# Altium PCB PCB1.PcbDoc (part 4 of 6)
Units mm, origin at the board's own origin, x right, y up, seen from the top; angles counter-clockwise.
Board outline 298.25 x 690.26 mm, 2 copper layers (Top Layer, Bottom Layer); 51 components, 44 nets, 196 pads, 2408 vias.
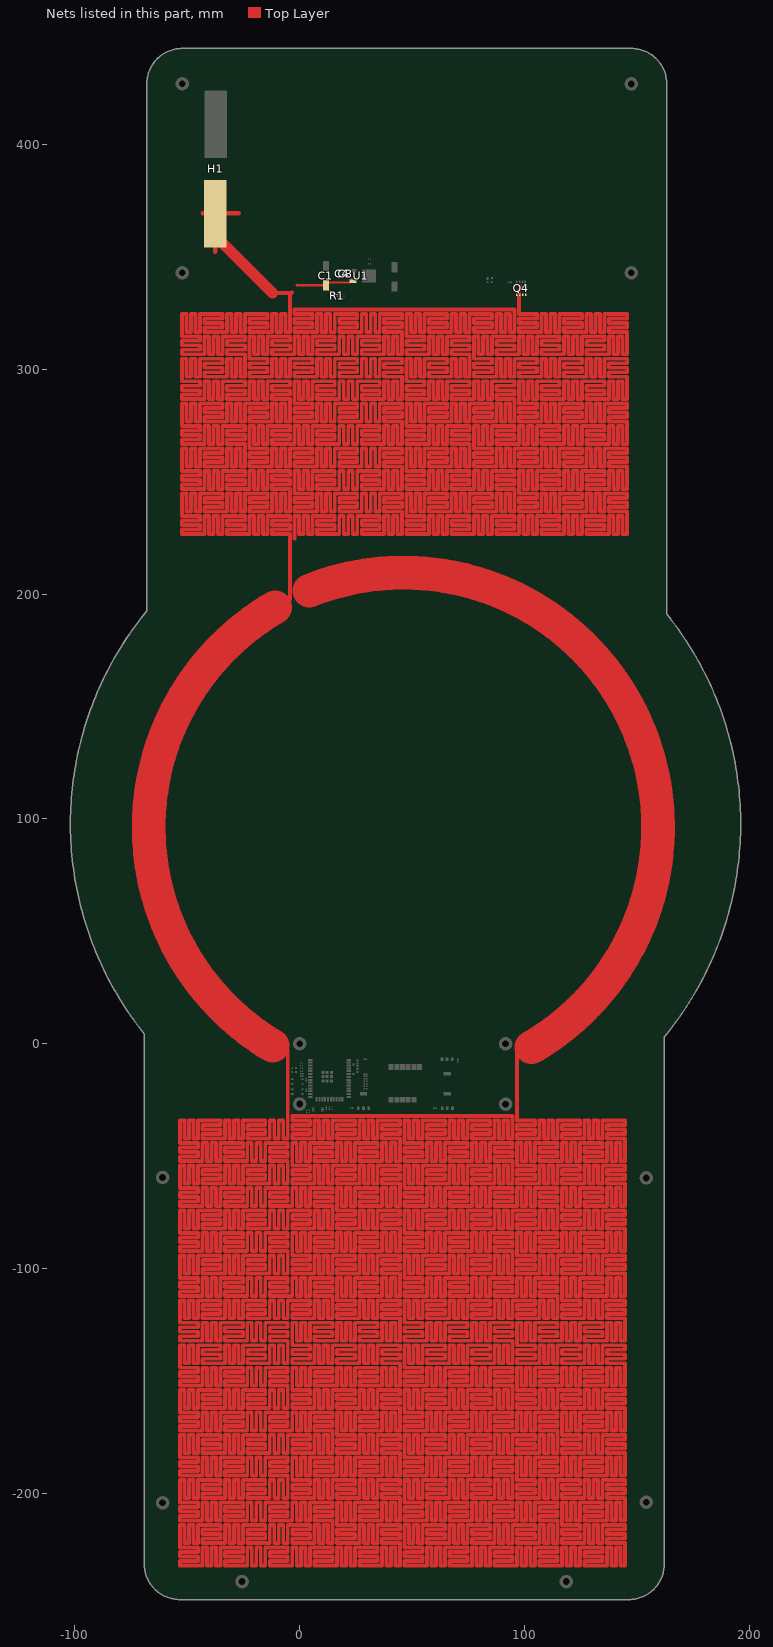
[diagram p4: the nets of this part, all layers, seen from the top]

## Via types
v1: diameter 0.6, hole 0.3, Top Layer to Bottom Layer, tented both sides, 2403 vias
v2: diameter 1.27, hole 0.711, Top Layer to Bottom Layer, tented both sides, 5 vias

## Nets (pads, with @x,y where several pads share a name; then routed paths per layer and width w, separated by ;. In a path a pad name is that pad's centre, name@x,y a point inside that pad or via, vN(x,y) a via of type N, cw(c..) or ccw(c..) an arc to the next point about the centre after c; other vN are vias at no path point) (continued)
VCC: (continued)
  Top Layer w1.75: -5.296,-2.945 -5.296,-32.18 -5.296,-42.18 -7.296,-42.18 -7.296,-34.18 -9.296,-34.18 -9.296,-42.18 -11.296,-42.18 -11.296,-34.18 -13.296,-34.18 -13.296,-42.18 -23.296,-42.18 -23.296,-40.18 -15.296,-40.18 -15.296,-38.18 -23.296,-38.18 -23.296,-36.18 -15.296,-36.18 -15.296,-34.18 -25.296,-34.18 -25.296,-42.18 -27.296,-42.18 -27.296,-34.18 -29.296,-34.18 -29.296,-42.18 -31.296,-42.18 -31.296,-34.18 -33.296,-34.18 -33.296,-42.18 -43.296,-42.18 -43.296,-40.18 -35.296,-40.18 -35.296,-38.18 -43.296,-38.18 -43.296,-36.18 -35.296,-36.18 -35.296,-34.18 -45.296,-34.18 -45.296,-42.18 -47.296,-42.18 -47.296,-34.18 -49.296,-34.18 -49.296,-42.18 -51.296,-42.18 -51.296,-34.18 -53.296,-34.18 -53.296,-44.18 -45.296,-44.18 -45.296,-46.18 -53.296,-46.18 -53.296,-48.18 -45.296,-48.18 -45.296,-50.18 -53.296,-50.18 -53.296,-52.18 -43.296,-52.18 -43.296,-44.18 -41.296,-44.18 -41.296,-52.18 -39.296,-52.18 -39.296,-44.18 -37.296,-44.18 -37.296,-52.18 -35.296,-52.18 -35.296,-44.18 -25.296,-44.18 -25.296,-46.18 -33.296,-46.18 -33.296,-48.18 -25.296,-48.18 -25.296,-50.18 -33.296,-50.18 -33.296,-52.18 -23.296,-52.18 -23.296,-44.18 -21.296,-44.18 -21.296,-52.18 -19.296,-52.18 -19.296,-44.18 -17.296,-44.18 -17.296,-52.18 -15.296,-52.18 -15.296,-44.18 -5.296,-44.18 -5.296,-46.18 -13.296,-46.18 -13.296,-48.18 -5.296,-48.18 -5.296,-50.18 -13.296,-50.18 -13.296,-52.18 -5.296,-52.18 -5.296,-62.18 -7.296,-62.18 -7.296,-54.18 -9.296,-54.18 -9.296,-62.18 -11.296,-62.18 -11.296,-54.18 -13.296,-54.18 -13.296,-62.18 -23.296,-62.18 -23.296,-60.18 -15.296,-60.18 -15.296,-58.18 -23.296,-58.18 -23.296,-56.18 -15.296,-56.18 -15.296,-54.18 -25.296,-54.18 -25.296,-62.18 -27.296,-62.18 -27.296,-54.18 -29.296,-54.18 -29.296,-62.18 -31.296,-62.18 -31.296,-54.18 -33.296,-54.18 -33.296,-62.18 -43.296,-62.18 -43.296,-60.18 -35.296,-60.18 -35.296,-58.18 -43.296,-58.18 -43.296,-56.18 -35.296,-56.18 -35.296,-54.18 -45.296,-54.18 -45.296,-62.18 -47.296,-62.18 -47.296,-54.18 -49.296,-54.18 -49.296,-62.18 -51.296,-62.18 -51.296,-54.18 -53.296,-54.18 -53.296,-64.18 -45.296,-64.18 -45.296,-66.18 -53.296,-66.18 -53.296,-68.18 -45.296,-68.18 -45.296,-70.18 -53.296,-70.18 -53.296,-72.18 -43.296,-72.18 -43.296,-64.18 -41.296,-64.18 -41.296,-72.18 -39.296,-72.18 -39.296,-64.18 -37.296,-64.18 -37.296,-72.18 -35.296,-72.18 -35.296,-64.18 -25.296,-64.18 -25.296,-66.18 -33.296,-66.18 -33.296,-68.18 -25.296,-68.18 -25.296,-70.18 -33.296,-70.18 -33.296,-72.18 -23.296,-72.18 -23.296,-64.18 -21.296,-64.18 -21.296,-72.18 -19.296,-72.18 -19.296,-64.18 -17.296,-64.18 -17.296,-72.18 -15.296,-72.18 -15.296,-64.18 -5.296,-64.18 -5.296,-66.18 -13.296,-66.18 -13.296,-68.18 -5.296,-68.18 -5.296,-70.18 -13.296,-70.18 -13.296,-72.18 -3.296,-72.18 -3.296,-64.18 -1.296,-64.18 -1.296,-72.18 0.704,-72.18 0.704,-64.18 2.704,-64.18 2.704,-72.18 4.704,-72.18 4.704,-64.18 14.704,-64.18 14.704,-66.18 6.704,-66.18 6.704,-68.18 14.704,-68.18 14.704,-70.18 6.704,-70.18 6.704,-72.18 14.704,-72.18 14.704,-82.18 12.704,-82.18 12.704,-74.18 10.704,-74.18 10.704,-82.18 8.704,-82.18 8.704,-74.18 6.704,-74.18 6.704,-82.18 -3.296,-82.18 -3.296,-80.18 4.704,-80.18 4.704,-78.18 -3.296,-78.18 -3.296,-76.18 4.704,-76.18 4.704,-74.18 -5.296,-74.18 -5.296,-82.18 -7.296,-82.18 -7.296,-74.18 -9.296,-74.18 -9.296,-82.18 -11.296,-82.18 -11.296,-74.18 -13.296,-74.18 -13.296,-82.18 -23.296,-82.18 -23.296,-80.18 -15.296,-80.18 -15.296,-78.18 -23.296,-78.18 -23.296,-76.18 -15.296,-76.18 -15.296,-74.18 -25.296,-74.18 -25.296,-82.18 -27.296,-82.18 -27.296,-74.18 -29.296,-74.18 -29.296,-82.18 -31.296,-82.18 -31.296,-74.18 -33.296,-74.18 -33.296,-82.18 -43.296,-82.18 -43.296,-80.18 -35.296,-80.18 -35.296,-78.18 -43.296,-78.18 -43.296,-76.18 -35.296,-76.18 -35.296,-74.18 -45.296,-74.18 -45.296,-82.18 -47.296,-82.18 -47.296,-74.18 -49.296,-74.18 -49.296,-82.18 -51.296,-82.18 -51.296,-74.18 -53.296,-74.18 -53.296,-84.18 -45.296,-84.18 -45.296,-86.18 -53.296,-86.18 -53.296,-88.18 -45.296,-88.18 -45.296,-90.18 -53.296,-90.18 -53.296,-92.18 -43.296,-92.18 -43.296,-84.18 -41.296,-84.18 -41.296,-92.18 -39.296,-92.18 -39.296,-84.18 -37.296,-84.18 -37.296,-92.18 -35.296,-92.18 -35.296,-84.18 -25.296,-84.18 -25.296,-86.18 -33.296,-86.18 -33.296,-88.18 -25.296,-88.18 -25.296,-90.18 -33.296,-90.18 -33.296,-92.18 -23.296,-92.18 -23.296,-84.18 -21.296,-84.18 -21.296,-92.18 -19.296,-92.18 -19.296,-84.18 -17.296,-84.18 -17.296,-92.18 -15.296,-92.18 -15.296,-84.18 -5.296,-84.18 -5.296,-86.18 -13.296,-86.18 -13.296,-88.18 -5.296,-88.18 -5.296,-90.18 -13.296,-90.18 -13.296,-92.18 -5.296,-92.18 -5.296,-102.18 -7.296,-102.18 -7.296,-94.18 -9.296,-94.18 -9.296,-102.18 -11.296,-102.18 -11.296,-94.18 -13.296,-94.18 -13.296,-102.18 -23.296,-102.18 -23.296,-100.18 -15.296,-100.18 -15.296,-98.18 -23.296,-98.18 -23.296,-96.18 -15.296,-96.18 -15.296,-94.18 -25.296,-94.18 -25.296,-102.18 -27.296,-102.18 -27.296,-94.18 -29.296,-94.18 -29.296,-102.18 -31.296,-102.18 -31.296,-94.18 -33.296,-94.18 -33.296,-102.18 -43.296,-102.18 -43.296,-100.18 -35.296,-100.18 -35.296,-98.18 -43.296,-98.18 -43.296,-96.18 -35.296,-96.18 -35.296,-94.18 -45.296,-94.18 -45.296,-102.18 -47.296,-102.18 -47.296,-94.18 -49.296,-94.18 -49.296,-102.18 -51.296,-102.18 -51.296,-94.18 -53.296,-94.18 -53.296,-104.18 -45.296,-104.18 -45.296,-106.18 -53.296,-106.18 -53.296,-108.18 -45.296,-108.18 -45.296,-110.18 -53.296,-110.18 -53.296,-112.18 -43.296,-112.18 -43.296,-104.18 -41.296,-104.18 -41.296,-112.18 -39.296,-112.18 -39.296,-104.18 -37.296,-104.18 -37.296,-112.18 -35.296,-112.18 -35.296,-104.18 -25.296,-104.18 -25.296,-106.18 -33.296,-106.18 -33.296,-108.18 -25.296,-108.18 -25.296,-110.18 -33.296,-110.18 -33.296,-112.18 -23.296,-112.18 -23.296,-104.18 -21.296,-104.18 -21.296,-112.18 -19.296,-112.18 -19.296,-104.18 -17.296,-104.18 -17.296,-112.18 -15.296,-112.18 -15.296,-104.18 -5.296,-104.18 -5.296,-106.18 -13.296,-106.18 -13.296,-108.18 -5.296,-108.18 -5.296,-110.18 -13.296,-110.18 -13.296,-112.18 -3.296,-112.18 -3.296,-104.18 -1.296,-104.18 -1.296,-112.18 0.704,-112.18 0.704,-104.18 2.704,-104.18 2.704,-112.18 4.704,-112.18 4.704,-104.18 14.704,-104.18 14.704,-106.18 6.704,-106.18 6.704,-108.18 14.704,-108.18 14.704,-110.18 6.704,-110.18 6.704,-112.18 14.704,-112.18 14.704,-122.18 12.704,-122.18 12.704,-114.18 10.704,-114.18 10.704,-122.18 8.704,-122.18 8.704,-114.18 6.704,-114.18 6.704,-122.18 -3.296,-122.18 -3.296,-120.18 4.704,-120.18 4.704,-118.18 -3.296,-118.18 -3.296,-116.18 4.704,-116.18 4.704,-114.18 -5.296,-114.18 -5.296,-122.18 -7.296,-122.18 -7.296,-114.18 -9.296,-114.18 -9.296,-122.18 -11.296,-122.18 -11.296,-114.18 -13.296,-114.18 -13.296,-122.18 -23.296,-122.18 -23.296,-120.18 -15.296,-120.18 -15.296,-118.18 -23.296,-118.18 -23.296,-116.18 -15.296,-116.18 -15.296,-114.18 -25.296,-114.18 -25.296,-122.18 -27.296,-122.18 -27.296,-114.18 -29.296,-114.18 -29.296,-122.18 -31.296,-122.18 -31.296,-114.18 -33.296,-114.18 -33.296,-122.18 -43.296,-122.18 -43.296,-120.18 -35.296,-120.18 -35.296,-118.18 -43.296,-118.18 -43.296,-116.18 -35.296,-116.18 -35.296,-114.18 -45.296,-114.18 -45.296,-122.18 -47.296,-122.18 -47.296,-114.18 -49.296,-114.18 -49.296,-122.18 -51.296,-122.18 -51.296,-114.18 -53.296,-114.18 -53.296,-124.18 -45.296,-124.18 -45.296,-126.18 -53.296,-126.18 -53.296,-128.18 -45.296,-128.18 -45.296,-130.18 -53.296,-130.18 -53.296,-132.18 -43.296,-132.18 -43.296,-124.18 -41.296,-124.18 -41.296,-132.18 -39.296,-132.18 -39.296,-124.18 -37.296,-124.18 -37.296,-132.18 -35.296,-132.18 -35.296,-124.18 -25.296,-124.18 -25.296,-126.18 -33.296,-126.18 -33.296,-128.18 -25.296,-128.18 -25.296,-130.18 -33.296,-130.18 -33.296,-132.18 -23.296,-132.18 -23.296,-124.18 -21.296,-124.18 -21.296,-132.18 -19.296,-132.18 -19.296,-124.18 -17.296,-124.18 -17.296,-132.18 -15.296,-132.18 -15.296,-124.18 -5.296,-124.18 -5.296,-126.18 -13.296,-126.18 -13.296,-128.18 -5.296,-128.18 -5.296,-130.18 -13.296,-130.18 -13.296,-132.18 -5.296,-132.18 -5.296,-142.18 -7.296,-142.18 -7.296,-134.18 -9.296,-134.18 -9.296,-142.18 -11.296,-142.18 -11.296,-134.18 -13.296,-134.18 -13.296,-142.18 -23.296,-142.18 -23.296,-140.18 -15.296,-140.18 -15.296,-138.18 -23.296,-138.18 -23.296,-136.18 -15.296,-136.18 -15.296,-134.18 -25.296,-134.18 -25.296,-142.18 -27.296,-142.18 -27.296,-134.18 -29.296,-134.18 -29.296,-142.18 -31.296,-142.18 -31.296,-134.18 -33.296,-134.18 -33.296,-142.18 -43.296,-142.18 -43.296,-140.18 -35.296,-140.18 -35.296,-138.18 -43.296,-138.18 -43.296,-136.18 -35.296,-136.18 -35.296,-134.18 -45.296,-134.18 -45.296,-142.18 -47.296,-142.18 -47.296,-134.18 -49.296,-134.18 -49.296,-142.18 -51.296,-142.18 -51.296,-134.18 -53.296,-134.18 -53.296,-144.18 -45.296,-144.18 -45.296,-146.18 -53.296,-146.18 -53.296,-148.18 -45.296,-148.18 -45.296,-150.18 -53.296,-150.18 -53.296,-152.18 -43.296,-152.18 -43.296,-144.18 -41.296,-144.18 -41.296,-152.18 -39.296,-152.18 -39.296,-144.18 -37.296,-144.18 -37.296,-152.18 -35.296,-152.18 -35.296,-144.18 -25.296,-144.18 -25.296,-146.18 -33.296,-146.18 -33.296,-148.18 -25.296,-148.18 -25.296,-150.18 -33.296,-150.18 -33.296,-152.18 -23.296,-152.18 -23.296,-144.18 -21.296,-144.18 -21.296,-152.18 -19.296,-152.18 -19.296,-144.18 -17.296,-144.18 -17.296,-152.18 -15.296,-152.18 -15.296,-144.18 -5.296,-144.18 -5.296,-146.18 -13.296,-146.18 -13.296,-148.18 -5.296,-148.18 -5.296,-150.18 -13.296,-150.18 -13.296,-152.18 -5.296,-152.18 -5.296,-162.18 -7.296,-162.18 -7.296,-154.18 -9.296,-154.18 -9.296,-162.18 -11.296,-162.18 -11.296,-154.18 -13.296,-154.18 -13.296,-162.18 -23.296,-162.18 -23.296,-160.18 -15.296,-160.18 -15.296,-158.18 -23.296,-158.18 -23.296,-156.18 -15.296,-156.18 -15.296,-154.18 -25.296,-154.18 -25.296,-162.18 -27.296,-162.18 -27.296,-154.18 -29.296,-154.18 -29.296,-162.18 -31.296,-162.18 -31.296,-154.18 -33.296,-154.18 -33.296,-162.18 -43.296,-162.18 -43.296,-160.18 -35.296,-160.18 -35.296,-158.18 -43.296,-158.18 -43.296,-156.18 -35.296,-156.18 -35.296,-154.18 -45.296,-154.18 -45.296,-162.18 -47.296,-162.18 -47.296,-154.18 -49.296,-154.18 -49.296,-162.18 -51.296,-162.18 -51.296,-154.18 -53.296,-154.18 -53.296,-164.18 -45.296,-164.18 -45.296,-166.18 -53.296,-166.18 -53.296,-168.18 -45.296,-168.18 -45.296,-170.18 -53.296,-170.18 -53.296,-172.18 -43.296,-172.18 -43.296,-164.18 -41.296,-164.18 -41.296,-172.18 -39.296,-172.18 -39.296,-164.18 -37.296,-164.18 -37.296,-172.18 -35.296,-172.18 -35.296,-164.18 -25.296,-164.18 -25.296,-166.18 -33.296,-166.18 -33.296,-168.18 -25.296,-168.18 -25.296,-170.18 -33.296,-170.18 -33.296,-172.18 -23.296,-172.18 -23.296,-164.18 -21.296,-164.18 -21.296,-172.18 -19.296,-172.18 -19.296,-164.18 -17.296,-164.18 -17.296,-172.18 -15.296,-172.18 -15.296,-164.18 -5.296,-164.18 -5.296,-166.18 -13.296,-166.18 -13.296,-168.18 -5.296,-168.18 -5.296,-170.18 -13.296,-170.18 -13.296,-172.18 -3.296,-172.18 -3.296,-164.18 -1.296,-164.18 -1.296,-172.18 0.704,-172.18 0.704,-164.18 2.704,-164.18 2.704,-172.18 4.704,-172.18 4.704,-164.18 14.704,-164.18 14.704,-166.18 6.704,-166.18 6.704,-168.18 14.704,-168.18 14.704,-170.18 6.704,-170.18 6.704,-172.18 14.704,-172.18 14.704,-182.18 12.704,-182.18 12.704,-174.18 10.704,-174.18 10.704,-182.18 8.704,-182.18 8.704,-174.18 6.704,-174.18 6.704,-182.18 -3.296,-182.18 -3.296,-180.18 4.704,-180.18 4.704,-178.18 -3.296,-178.18 -3.296,-176.18 4.704,-176.18 4.704,-174.18 -5.296,-174.18 -5.296,-182.18 -7.296,-182.18 -7.296,-174.18 -9.296,-174.18 -9.296,-182.18 -11.296,-182.18 -11.296,-174.18 -13.296,-174.18 -13.296,-182.18 -23.296,-182.18 -23.296,-180.18 -15.296,-180.18 -15.296,-178.18 -23.296,-178.18 -23.296,-176.18 -15.296,-176.18 -15.296,-174.18 -25.296,-174.18 -25.296,-182.18 -27.296,-182.18 -27.296,-174.18 -29.296,-174.18 -29.296,-182.18 -31.296,-182.18 -31.296,-174.18 -33.296,-174.18 -33.296,-182.18 -43.296,-182.18 -43.296,-180.18 -35.296,-180.18 -35.296,-178.18 -43.296,-178.18 -43.296,-176.18 -35.296,-176.18 -35.296,-174.18 -45.296,-174.18 -45.296,-182.18 -47.296,-182.18 -47.296,-174.18 -49.296,-174.18 -49.296,-182.18 -51.296,-182.18 -51.296,-174.18 -53.296,-174.18 -53.296,-184.18 -45.296,-184.18 -45.296,-186.18 -53.296,-186.18 -53.296,-188.18 -45.296,-188.18 -45.296,-190.18 -53.296,-190.18 -53.296,-192.18 -43.296,-192.18 -43.296,-184.18 -41.296,-184.18 -41.296,-192.18 -39.296,-192.18 -39.296,-184.18 -37.296,-184.18 -37.296,-192.18 -35.296,-192.18 -35.296,-184.18 -25.296,-184.18 -25.296,-186.18 -33.296,-186.18 -33.296,-188.18 -25.296,-188.18 -25.296,-190.18 -33.296,-190.18 -33.296,-192.18 -23.296,-192.18 -23.296,-184.18 -21.296,-184.18 -21.296,-192.18 -19.296,-192.18 -19.296,-184.18 -17.296,-184.18 -17.296,-192.18 -15.296,-192.18 -15.296,-184.18 -5.296,-184.18 -5.296,-186.18 -13.296,-186.18 -13.296,-188.18 -5.296,-188.18 -5.296,-190.18 -13.296,-190.18 -13.296,-192.18 -5.296,-192.18 -5.296,-202.18 -7.296,-202.18 -7.296,-194.18 -9.296,-194.18 -9.296,-202.18 -11.296,-202.18 -11.296,-194.18 -13.296,-194.18 -13.296,-202.18 -23.296,-202.18 -23.296,-200.18 -15.296,-200.18 -15.296,-198.18 -23.296,-198.18 -23.296,-196.18 -15.296,-196.18 -15.296,-194.18 -25.296,-194.18 -25.296,-202.18 -27.296,-202.18 -27.296,-194.18 -29.296,-194.18 -29.296,-202.18 -31.296,-202.18 -31.296,-194.18 -33.296,-194.18 -33.296,-202.18 -43.296,-202.18 -43.296,-200.18 -35.296,-200.18 -35.296,-198.18 -43.296,-198.18 -43.296,-196.18 -35.296,-196.18 -35.296,-194.18 -45.296,-194.18 -45.296,-202.18 -47.296,-202.18 -47.296,-194.18 -49.296,-194.18 -49.296,-202.18 -51.296,-202.18 -51.296,-194.18 -53.296,-194.18 -53.296,-204.18 -45.296,-204.18 -45.296,-206.18 -53.296,-206.18 -53.296,-208.18 -45.296,-208.18 -45.296,-210.18 -53.296,-210.18 -53.296,-212.18 -43.296,-212.18 -43.296,-204.18 -41.296,-204.18 -41.296,-212.18 -39.296,-212.18 -39.296,-204.18 -37.296,-204.18 -37.296,-212.18 -35.296,-212.18 -35.296,-204.18 -25.296,-204.18 -25.296,-206.18 -33.296,-206.18 -33.296,-208.18 -25.296,-208.18 -25.296,-210.18 -33.296,-210.18 -33.296,-212.18 -23.296,-212.18 -23.296,-204.18 -21.296,-204.18 -21.296,-212.18 -19.296,-212.18 -19.296,-204.18 -17.296,-204.18 -17.296,-212.18 -15.296,-212.18 -15.296,-204.18 -5.296,-204.18 -5.296,-206.18 -13.296,-206.18 -13.296,-208.18 -5.296,-208.18 -5.296,-210.18 -13.296,-210.18 -13.296,-212.18 -3.296,-212.18 -3.296,-204.18 -1.296,-204.18 -1.296,-212.18 0.704,-212.18 0.704,-204.18 2.704,-204.18 2.704,-212.18 4.704,-212.18 4.704,-204.18 14.704,-204.18 14.704,-206.18 6.704,-206.18 6.704,-208.18 14.704,-208.18 14.704,-210.18 6.704,-210.18 6.704,-212.18 14.704,-212.18 14.704,-222.18 12.704,-222.18 12.704,-214.18 10.704,-214.18 10.704,-222.18 8.704,-222.18 8.704,-214.18 6.704,-214.18 6.704,-222.18 -3.296,-222.18 -3.296,-220.18 4.704,-220.18 4.704,-218.18 -3.296,-218.18 -3.296,-216.18 4.704,-216.18 4.704,-214.18 -5.296,-214.18 -5.296,-222.18 -7.296,-222.18 -7.296,-214.18 -9.296,-214.18 -9.296,-222.18 -11.296,-222.18 -11.296,-214.18 -13.296,-214.18 -13.296,-222.18 -23.296,-222.18 -23.296,-220.18 -15.296,-220.18 -15.296,-218.18 -23.296,-218.18 -23.296,-216.18 -15.296,-216.18 -15.296,-214.18 -25.296,-214.18 -25.296,-222.18 -27.296,-222.18 -27.296,-214.18 -29.296,-214.18 -29.296,-222.18 -31.296,-222.18 -31.296,-214.18 -33.296,-214.18 -33.296,-222.18 -43.296,-222.18 -43.296,-220.18 -35.296,-220.18 -35.296,-218.18 -43.296,-218.18 -43.296,-216.18 -35.296,-216.18 -35.296,-214.18 -45.296,-214.18 -45.296,-222.18 -47.296,-222.18 -47.296,-214.18 -49.296,-214.18 -49.296,-222.18 -51.296,-222.18 -51.296,-214.18 -53.296,-214.18 -53.296,-224.18 -45.296,-224.18 -45.296,-226.18 -53.296,-226.18 -53.296,-228.18 -45.296,-228.18 -45.296,-230.18 -53.296,-230.18 -53.296,-232.18 -43.296,-232.18 -43.296,-224.18 -41.296,-224.18 -41.296,-232.18 -39.296,-232.18 -39.296,-224.18 -37.296,-224.18 -37.296,-232.18 -35.296,-232.18 -35.296,-224.18 -25.296,-224.18 -25.296,-226.18 -33.296,-226.18 -33.296,-228.18 -25.296,-228.18 -25.296,-230.18 -33.296,-230.18 -33.296,-232.18 -23.296,-232.18 -23.296,-224.18 -21.296,-224.18 -21.296,-232.18 -19.296,-232.18 -19.296,-224.18 -17.296,-224.18 -17.296,-232.18 -15.296,-232.18 -15.296,-224.18 -5.296,-224.18 -5.296,-226.18 -13.296,-226.18 -13.296,-228.18 -5.296,-228.18 -5.296,-230.18 -13.296,-230.18 -13.296,-232.18 -5.296,-232.18 -3.296,-232.18 -3.296,-224.18 -1.296,-224.18 -1.296,-232.18 0.704,-232.18 0.704,-224.18 2.704,-224.18 2.704,-232.18 4.704,-232.18 4.704,-224.18 14.704,-224.18 14.704,-226.18 6.704,-226.18 6.704,-228.18 14.704,-228.18 14.704,-230.18 6.704,-230.18 6.704,-232.18 16.704,-232.18 16.704,-224.18 18.704,-224.18 18.704,-232.18 20.704,-232.18 20.704,-224.18 22.704,-224.18 22.704,-232.18 24.704,-232.18 24.704,-224.18 34.704,-224.18 34.704,-226.18 26.704,-226.18 26.704,-228.18 34.704,-228.18 34.704,-230.18 26.704,-230.18 26.704,-232.18 36.704,-232.18 36.704,-224.18 38.704,-224.18 38.704,-232.18 40.704,-232.18 40.704,-224.18 42.704,-224.18 42.704,-232.18 44.704,-232.18 44.704,-222.18 36.704,-222.18 36.704,-220.18 44.704,-220.18 44.704,-218.18 36.704,-218.18 36.704,-216.18 44.704,-216.18 44.704,-214.18 34.704,-214.18 34.704,-222.18 32.704,-222.18 32.704,-214.18 30.704,-214.18 30.704,-222.18 28.704,-222.18 28.704,-214.18 26.704,-214.18 26.704,-222.18 16.704,-222.18 16.704,-220.18 24.704,-220.18 24.704,-218.18 16.704,-218.18 16.704,-216.18 24.704,-216.18 24.704,-214.18 16.704,-214.18 16.704,-204.18 18.704,-204.18 18.704,-212.18 20.704,-212.18 20.704,-204.18 22.704,-204.18 22.704,-212.18 24.704,-212.18 24.704,-204.18 34.704,-204.18 34.704,-206.18 26.704,-206.18 26.704,-208.18 34.704,-208.18 34.704,-210.18 26.704,-210.18 26.704,-212.18 36.704,-212.18 36.704,-204.18 38.704,-204.18 38.704,-212.18 40.704,-212.18 40.704,-204.18 42.704,-204.18 42.704,-212.18 44.704,-212.18 44.704,-202.18 36.704,-202.18 36.704,-200.18 44.704,-200.18 44.704,-198.18 36.704,-198.18 36.704,-196.18 44.704,-196.18 44.704,-194.18 34.704,-194.18 34.704,-202.18 32.704,-202.18 32.704,-194.18 30.704,-194.18 30.704,-202.18 28.704,-202.18 28.704,-194.18 26.704,-194.18 26.704,-202.18 16.704,-202.18 16.704,-200.18 24.704,-200.18 24.704,-198.18 16.704,-198.18 16.704,-196.18 24.704,-196.18 24.704,-194.18 14.704,-194.18 14.704,-202.18 12.704,-202.18 12.704,-194.18 10.704,-194.18 10.704,-202.18 8.704,-202.18 8.704,-194.18 6.704,-194.18 6.704,-202.18 -3.296,-202.18 -3.296,-200.18 4.704,-200.18 4.704,-198.18 -3.296,-198.18 -3.296,-196.18 4.704,-196.18 4.704,-194.18 -3.296,-194.18 -3.296,-184.18 -1.296,-184.18 -1.296,-192.18 0.704,-192.18 0.704,-184.18 2.704,-184.18 2.704,-192.18 4.704,-192.18 4.704,-184.18 14.704,-184.18 14.704,-186.18 6.704,-186.18 6.704,-188.18 14.704,-188.18 14.704,-190.18 6.704,-190.18 6.704,-192.18 16.704,-192.18 16.704,-184.18 18.704,-184.18 18.704,-192.18 20.704,-192.18 20.704,-184.18 22.704,-184.18 22.704,-192.18 24.704,-192.18 24.704,-184.18 34.704,-184.18 34.704,-186.18 26.704,-186.18 26.704,-188.18 34.704,-188.18 34.704,-190.18 26.704,-190.18 26.704,-192.18 36.704,-192.18 36.704,-184.18 38.704,-184.18 38.704,-192.18 40.704,-192.18 40.704,-184.18 42.704,-184.18 42.704,-192.18 44.704,-192.18 44.704,-182.18 36.704,-182.18 36.704,-180.18 44.704,-180.18 44.704,-178.18 36.704,-178.18 36.704,-176.18 44.704,-176.18 44.704,-174.18 34.704,-174.18 34.704,-182.18 32.704,-182.18 32.704,-174.18 30.704,-174.18 30.704,-182.18 28.704,-182.18 28.704,-174.18 26.704,-174.18 26.704,-182.18 16.704,-182.18 16.704,-180.18 24.704,-180.18 24.704,-178.18 16.704,-178.18 16.704,-176.18 24.704,-176.18 24.704,-174.18 16.704,-174.18 16.704,-164.18 18.704,-164.18 18.704,-172.18 20.704,-172.18 20.704,-164.18 22.704,-164.18 22.704,-172.18 24.704,-172.18 24.704,-164.18 34.704,-164.18 34.704,-166.18 26.704,-166.18 26.704,-168.18 34.704,-168.18 34.704,-170.18 26.704,-170.18 26.704,-172.18 36.704,-172.18 36.704,-164.18 38.704,-164.18 38.704,-172.18 40.704,-172.18 40.704,-164.18 42.704,-164.18 42.704,-172.18 44.704,-172.18 44.704,-162.18 36.704,-162.18 36.704,-160.18 44.704,-160.18 44.704,-158.18 36.704,-158.18 36.704,-156.18 44.704,-156.18 44.704,-154.18 34.704,-154.18 34.704,-162.18 32.704,-162.18 32.704,-154.18 30.704,-154.18 30.704,-162.18 28.704,-162.18 28.704,-154.18 26.704,-154.18 26.704,-162.18 16.704,-162.18 16.704,-160.18 24.704,-160.18 24.704,-158.18 16.704,-158.18 16.704,-156.18 24.704,-156.18 24.704,-154.18 14.704,-154.18 14.704,-162.18 12.704,-162.18 12.704,-154.18 10.704,-154.18 10.704,-162.18 8.704,-162.18 8.704,-154.18 6.704,-154.18 6.704,-162.18 -3.296,-162.18 -3.296,-160.18 4.704,-160.18 4.704,-158.18 -3.296,-158.18 -3.296,-156.18 4.704,-156.18 4.704,-154.18 -3.296,-154.18 -3.296,-144.18 -1.296,-144.18 -1.296,-152.18 0.704,-152.18 0.704,-144.18 2.704,-144.18 2.704,-152.18 4.704,-152.18 4.704,-144.18 14.704,-144.18 14.704,-146.18 6.704,-146.18 6.704,-148.18 14.704,-148.18 14.704,-150.18 6.704,-150.18 6.704,-152.18 16.704,-152.18 16.704,-144.18 18.704,-144.18 18.704,-152.18 20.704,-152.18 20.704,-144.18 22.704,-144.18 22.704,-152.18 24.704,-152.18 24.704,-144.18 34.704,-144.18 34.704,-146.18 26.704,-146.18 26.704,-148.18 34.704,-148.18 34.704,-150.18 26.704,-150.18 26.704,-152.18 36.704,-152.18 36.704,-144.18 38.704,-144.18 38.704,-152.18 40.704,-152.18 40.704,-144.18 42.704,-144.18 42.704,-152.18 44.704,-152.18 44.704,-142.18 36.704,-142.18 36.704,-140.18 44.704,-140.18 44.704,-138.18 36.704,-138.18 36.704,-136.18 44.704,-136.18 44.704,-134.18 34.704,-134.18 34.704,-142.18 32.704,-142.18 32.704,-134.18 30.704,-134.18 30.704,-142.18 28.704,-142.18 28.704,-134.18 26.704,-134.18 26.704,-142.18 16.704,-142.18 16.704,-140.18 24.704,-140.18 24.704,-138.18 16.704,-138.18 16.704,-136.18 24.704,-136.18 24.704,-134.18 14.704,-134.18 14.704,-142.18 12.704,-142.18 12.704,-134.18 10.704,-134.18 10.704,-142.18 8.704,-142.18 8.704,-134.18 6.704,-134.18 6.704,-142.18 -3.296,-142.18 -3.296,-140.18 4.704,-140.18 4.704,-138.18 -3.296,-138.18 -3.296,-136.18 4.704,-136.18 4.704,-134.18 -3.296,-134.18 -3.296,-124.18 -1.296,-124.18 -1.296,-132.18 0.704,-132.18 0.704,-124.18 2.704,-124.18 2.704,-132.18 4.704,-132.18 4.704,-124.18 14.704,-124.18 14.704,-126.18 6.704,-126.18 6.704,-128.18 14.704,-128.18 14.704,-130.18 6.704,-130.18 6.704,-132.18 16.704,-132.18 16.704,-124.18 18.704,-124.18 18.704,-132.18 20.704,-132.18 20.704,-124.18 22.704,-124.18 22.704,-132.18 24.704,-132.18 24.704,-124.18 34.704,-124.18 34.704,-126.18 26.704,-126.18 26.704,-128.18 34.704,-128.18 34.704,-130.18 26.704,-130.18 26.704,-132.18 36.704,-132.18 36.704,-124.18 38.704,-124.18 38.704,-132.18 40.704,-132.18 40.704,-124.18 42.704,-124.18 42.704,-132.18 44.704,-132.18 44.704,-122.18 36.704,-122.18 36.704,-120.18 44.704,-120.18 44.704,-118.18 36.704,-118.18 36.704,-116.18 44.704,-116.18 44.704,-114.18 34.704,-114.18 34.704,-122.18 32.704,-122.18 32.704,-114.18 30.704,-114.18 30.704,-122.18 28.704,-122.18 28.704,-114.18 26.704,-114.18 26.704,-122.18 16.704,-122.18 16.704,-120.18 24.704,-120.18 24.704,-118.18 16.704,-118.18 16.704,-116.18 24.704,-116.18 24.704,-114.18 16.704,-114.18 16.704,-104.18 18.704,-104.18 18.704,-112.18 20.704,-112.18 20.704,-104.18 22.704,-104.18 22.704,-112.18 24.704,-112.18 24.704,-104.18 34.704,-104.18 34.704,-106.18 26.704,-106.18 26.704,-108.18 34.704,-108.18 34.704,-110.18 26.704,-110.18 26.704,-112.18 36.704,-112.18 36.704,-104.18 38.704,-104.18 38.704,-112.18 40.704,-112.18 40.704,-104.18 42.704,-104.18 42.704,-112.18 44.704,-112.18 44.704,-102.18 36.704,-102.18 36.704,-100.18 44.704,-100.18 44.704,-98.18 36.704,-98.18 36.704,-96.18 44.704,-96.18 44.704,-94.18 34.704,-94.18 34.704,-102.18 32.704,-102.18 32.704,-94.18 30.704,-94.18 30.704,-102.18 28.704,-102.18 28.704,-94.18 26.704,-94.18 26.704,-102.18 16.704,-102.18 16.704,-100.18 24.704,-100.18 24.704,-98.18 16.704,-98.18 16.704,-96.18 24.704,-96.18 24.704,-94.18 14.704,-94.18 14.704,-102.18 12.704,-102.18 12.704,-94.18 10.704,-94.18 10.704,-102.18 8.704,-102.18 8.704,-94.18 6.704,-94.18 6.704,-102.18 -3.296,-102.18 -3.296,-100.18 4.704,-100.18 4.704,-98.18 -3.296,-98.18 -3.296,-96.18 4.704,-96.18 4.704,-94.18 -3.296,-94.18 -3.296,-84.18 -1.296,-84.18 -1.296,-92.18 0.704,-92.18 0.704,-84.18 2.704,-84.18 2.704,-92.18 4.704,-92.18 4.704,-84.18 14.704,-84.18 14.704,-86.18 6.704,-86.18 6.704,-88.18 14.704,-88.18 14.704,-90.18 6.704,-90.18 6.704,-92.18 16.704,-92.18 16.704,-84.18 18.704,-84.18 18.704,-92.18 20.704,-92.18 20.704,-84.18 22.704,-84.18 22.704,-92.18 24.704,-92.18 24.704,-84.18 34.704,-84.18 34.704,-86.18 26.704,-86.18 26.704,-88.18 34.704,-88.18 34.704,-90.18 26.704,-90.18 26.704,-92.18 36.704,-92.18 36.704,-84.18 38.704,-84.18 38.704,-92.18 40.704,-92.18 40.704,-84.18 42.704,-84.18 42.704,-92.18 44.704,-92.18 44.704,-82.18 36.704,-82.18 36.704,-80.18 44.704,-80.18 44.704,-78.18 36.704,-78.18 36.704,-76.18 44.704,-76.18 44.704,-74.18 34.704,-74.18 34.704,-82.18 32.704,-82.18 32.704,-74.18 30.704,-74.18 30.704,-82.18 28.704,-82.18 28.704,-74.18 26.704,-74.18 26.704,-82.18 16.704,-82.18 16.704,-80.18 24.704,-80.18 24.704,-78.18 16.704,-78.18 16.704,-76.18 24.704,-76.18 24.704,-74.18 16.704,-74.18 16.704,-64.18 18.704,-64.18 18.704,-72.18 20.704,-72.18 20.704,-64.18 22.704,-64.18 22.704,-72.18 24.704,-72.18 24.704,-64.18 34.704,-64.18 34.704,-66.18 26.704,-66.18 26.704,-68.18 34.704,-68.18 34.704,-70.18 26.704,-70.18 26.704,-72.18 36.704,-72.18 36.704,-64.18 38.704,-64.18 38.704,-72.18 40.704,-72.18 40.704,-64.18 42.704,-64.18 42.704,-72.18 44.704,-72.18 44.704,-62.18 36.704,-62.18 36.704,-60.18 44.704,-60.18 44.704,-58.18 36.704,-58.18 36.704,-56.18 44.704,-56.18 44.704,-54.18 34.704,-54.18 34.704,-62.18 32.704,-62.18 32.704,-54.18 30.704,-54.18 30.704,-62.18 28.704,-62.18 28.704,-54.18 26.704,-54.18 26.704,-62.18 16.704,-62.18 16.704,-60.18 24.704,-60.18 24.704,-58.18 16.704,-58.18 16.704,-56.18 24.704,-56.18 24.704,-54.18 14.704,-54.18 14.704,-62.18 12.704,-62.18 12.704,-54.18 10.704,-54.18 10.704,-62.18 8.704,-62.18 8.704,-54.18 6.704,-54.18 6.704,-62.18 -3.296,-62.18 -3.296,-60.18 4.704,-60.18 4.704,-58.18 -3.296,-58.18 -3.296,-56.18 4.704,-56.18 4.704,-54.18 -3.296,-54.18 -3.296,-44.18 -1.296,-44.18 -1.296,-52.18 0.704,-52.18 0.704,-44.18 2.704,-44.18 2.704,-52.18 4.704,-52.18 4.704,-44.18 14.704,-44.18 14.704,-46.18 6.704,-46.18 6.704,-48.18 14.704,-48.18 14.704,-50.18 6.704,-50.18 6.704,-52.18 16.704,-52.18 16.704,-44.18 18.704,-44.18 18.704,-52.18 20.704,-52.18 20.704,-44.18 22.704,-44.18 22.704,-52.18 24.704,-52.18 24.704,-44.18 34.704,-44.18 34.704,-46.18 26.704,-46.18 26.704,-48.18 34.704,-48.18 34.704,-50.18 26.704,-50.18 26.704,-52.18 36.704,-52.18 36.704,-44.18 38.704,-44.18 38.704,-52.18 40.704,-52.18 40.704,-44.18 42.704,-44.18 42.704,-52.18 44.704,-52.18 44.704,-42.18 36.704,-42.18 36.704,-40.18 44.704,-40.18 44.704,-38.18 36.704,-38.18 36.704,-36.18 44.704,-36.18 44.704,-34.18 34.704,-34.18 34.704,-42.18 32.704,-42.18 32.704,-34.18 30.704,-34.18 30.704,-42.18 28.704,-42.18 28.704,-34.18 26.704,-34.18 26.704,-42.18 16.704,-42.18 16.704,-40.18 24.704,-40.18 24.704,-38.18 16.704,-38.18 16.704,-36.18 24.704,-36.18 24.704,-34.18 14.704,-34.18 14.704,-42.18 12.704,-42.18 12.704,-34.18 10.704,-34.18 10.704,-42.18 8.704,-42.18 8.704,-34.18 6.704,-34.18 6.704,-42.18 -3.296,-42.18 -3.296,-40.18 4.704,-40.18 4.704,-38.18 -3.296,-38.18 -3.296,-36.18 4.704,-36.18 4.704,-34.18 -3.296,-34.18 -3.296,-32.18 94.688,-32.18 ; -4.362,197.734 -4.362,226.8 -12.362,226.8 -12.362,228.8 -4.362,228.8 -4.362,230.8 -12.362,230.8 -12.362,232.8 -4.362,232.8 -4.362,234.8 -14.362,234.8 -14.362,226.8 -16.362,226.8 -16.362,234.8 -18.362,234.8 -18.362,226.8 -20.362,226.8 -20.362,234.8 -22.362,234.8 -22.362,226.8 -32.362,226.8 -32.362,228.8 -24.362,228.8 -24.362,230.8 -32.362,230.8 -32.362,232.8 -24.362,232.8 -24.362,234.8 -34.362,234.8 -34.362,226.8 -36.362,226.8 -36.362,234.8 -38.362,234.8 -38.362,226.8 -40.362,226.8 -40.362,234.8 -42.362,234.8 -42.362,226.8 -52.362,226.8 -52.362,228.8 -44.362,228.8 -44.362,230.8 -52.362,230.8 -52.362,232.8 -44.362,232.8 -44.362,234.8 -52.362,234.8 -52.362,244.8 -50.362,244.8 -50.362,236.8 -48.362,236.8 -48.362,244.8 -46.362,244.8 -46.362,236.8 -44.362,236.8 -44.362,244.8 -34.362,244.8 -34.362,242.8 -42.362,242.8 -42.362,240.8 -34.362,240.8 -34.362,238.8 -42.362,238.8 -42.362,236.8 -32.362,236.8 -32.362,244.8 -30.362,244.8 -30.362,236.8 -28.362,236.8 -28.362,244.8 -26.362,244.8 -26.362,236.8 -24.362,236.8 -24.362,244.8 -14.362,244.8 -14.362,242.8 -22.362,242.8 -22.362,240.8 -14.362,240.8 -14.362,238.8 -22.362,238.8 -22.362,236.8 -12.362,236.8 -12.362,244.8 -10.362,244.8 -10.362,236.8 -8.362,236.8 -8.362,244.8 -6.362,244.8 -6.362,236.8 -4.362,236.8 -4.362,246.8 -12.362,246.8 -12.362,248.8 -4.362,248.8 -4.362,250.8 -12.362,250.8 -12.362,252.8 -4.362,252.8 -4.362,254.8 -14.362,254.8 -14.362,246.8 -16.362,246.8 -16.362,254.8 -18.362,254.8 -18.362,246.8 -20.362,246.8 -20.362,254.8 -22.362,254.8 -22.362,246.8 -32.362,246.8 -32.362,248.8 -24.362,248.8 -24.362,250.8 -32.362,250.8 -32.362,252.8 -24.362,252.8 -24.362,254.8 -34.362,254.8 -34.362,246.8 -36.362,246.8 -36.362,254.8 -38.362,254.8 -38.362,246.8 -40.362,246.8 -40.362,254.8 -42.362,254.8 -42.362,246.8 -52.362,246.8 -52.362,248.8 -44.362,248.8 -44.362,250.8 -52.362,250.8 -52.362,252.8 -44.362,252.8 -44.362,254.8 -52.362,254.8 -52.362,264.8 -50.362,264.8 -50.362,256.8 -48.362,256.8 -48.362,264.8 -46.362,264.8 -46.362,256.8 -44.362,256.8 -44.362,264.8 -34.362,264.8 -34.362,262.8 -42.362,262.8 -42.362,260.8 -34.362,260.8 -34.362,258.8 -42.362,258.8 -42.362,256.8 -32.362,256.8 -32.362,264.8 -30.362,264.8 -30.362,256.8 -28.362,256.8 -28.362,264.8 -26.362,264.8 -26.362,256.8 -24.362,256.8 -24.362,266.8 -32.362,266.8 -32.362,268.8 -24.362,268.8 -24.362,270.8 -32.362,270.8 -32.362,272.8 -24.362,272.8 -24.362,274.8 -34.362,274.8 -34.362,266.8 -36.362,266.8 -36.362,274.8 -38.362,274.8 -38.362,266.8 -40.362,266.8 -40.362,274.8 -42.362,274.8 -42.362,266.8 -52.362,266.8 -52.362,268.8 -44.362,268.8 -44.362,270.8 -52.362,270.8 -52.362,272.8 -44.362,272.8 -44.362,274.8 -52.362,274.8 -52.362,284.8 -50.362,284.8 -50.362,276.8 -48.362,276.8 -48.362,284.8 -46.362,284.8 -46.362,276.8 -44.362,276.8 -44.362,284.8 -34.362,284.8 -34.362,282.8 -42.362,282.8 -42.362,280.8 -34.362,280.8 -34.362,278.8 -42.362,278.8 -42.362,276.8 -32.362,276.8 -32.362,284.8 -30.362,284.8 -30.362,276.8 -28.362,276.8 -28.362,284.8 -26.362,284.8 -26.362,276.8 -24.362,276.8 -24.362,284.8 -14.362,284.8 -14.362,282.8 -22.362,282.8 -22.362,280.8 -14.362,280.8 -14.362,278.8 -22.362,278.8 -22.362,276.8 -12.362,276.8 -12.362,284.8 -10.362,284.8 -10.362,276.8 -8.362,276.8 -8.362,284.8 -6.362,284.8 -6.362,276.8 -4.362,276.8 -4.362,286.8 -12.362,286.8 -12.362,288.8 -4.362,288.8 -4.362,290.8 -12.362,290.8 -12.362,292.8 -4.362,292.8 -4.362,294.8 -14.362,294.8 -14.362,286.8 -16.362,286.8 -16.362,294.8 -18.362,294.8 -18.362,286.8 -20.362,286.8 -20.362,294.8 -22.362,294.8 -22.362,286.8 -32.362,286.8 -32.362,288.8 -24.362,288.8 -24.362,290.8 -32.362,290.8 -32.362,292.8 -24.362,292.8 -24.362,294.8 -34.362,294.8 -34.362,286.8 -36.362,286.8 -36.362,294.8 -38.362,294.8 -38.362,286.8 -40.362,286.8 -40.362,294.8 -42.362,294.8 -42.362,286.8 -52.362,286.8 -52.362,288.8 -44.362,288.8 -44.362,290.8 -52.362,290.8 -52.362,292.8 -44.362,292.8 -44.362,294.8 -52.362,294.8 -52.362,304.8 -50.362,304.8 -50.362,296.8 -48.362,296.8 -48.362,304.8 -46.362,304.8 -46.362,296.8 -44.362,296.8 -44.362,304.8 -34.362,304.8 -34.362,302.8 -42.362,302.8 -42.362,300.8 -34.362,300.8 -34.362,298.8 -42.362,298.8 -42.362,296.8 -32.362,296.8 -32.362,304.8 -30.362,304.8 -30.362,296.8 -28.362,296.8 -28.362,304.8 -26.362,304.8 -26.362,296.8 -24.362,296.8 -24.362,306.8 -32.362,306.8 -32.362,308.8 -24.362,308.8 -24.362,310.8 -32.362,310.8 -32.362,312.8 -24.362,312.8 -24.362,314.8 -34.362,314.8 -34.362,306.8 -36.362,306.8 -36.362,314.8 -38.362,314.8 -38.362,306.8 -40.362,306.8 -40.362,314.8 -42.362,314.8 -42.362,306.8 -52.362,306.8 -52.362,308.8 -44.362,308.8 -44.362,310.8 -52.362,310.8 -52.362,312.8 -44.362,312.8 -44.362,314.8 -52.362,314.8 -52.362,324.8 -50.362,324.8 -50.362,316.8 -48.362,316.8 -48.362,324.8 -46.362,324.8 -46.362,316.8 -44.362,316.8 -44.362,324.8 -34.362,324.8 -34.362,322.8 -42.362,322.8 -42.362,320.8 -34.362,320.8 -34.362,318.8 -42.362,318.8 -42.362,316.8 -32.362,316.8 -32.362,324.8 -30.362,324.8 -30.362,316.8 -28.362,316.8 -28.362,324.8 -26.362,324.8 -26.362,316.8 -24.362,316.8 -24.362,324.8 -14.362,324.8 -14.362,322.8 -22.362,322.8 -22.362,320.8 -14.362,320.8 -14.362,318.8 -22.362,318.8 -22.362,316.8 -12.362,316.8 -12.362,324.8 -10.362,324.8 -10.362,316.8 -8.362,316.8 -8.362,324.8 -6.362,324.8 -6.362,316.8 -4.362,316.8 -4.362,332.906 ; -3.28,-133.984 -3.28,-131.926 ; -2.362,224.8 -2.362,226.8 -2.362,234.8 -0.362,234.8 -0.362,226.8 1.638,226.8 1.638,234.8 3.638,234.8 3.638,226.8 5.638,226.8 5.638,234.8 15.638,234.8 15.638,232.8 7.638,232.8 7.638,230.8 15.638,230.8 15.638,228.8 7.638,228.8 7.638,226.8 17.638,226.8 17.638,234.8 19.638,234.8 19.638,226.8 21.638,226.8 21.638,234.8 23.638,234.8 23.638,226.8 25.638,226.8 25.638,234.8 35.638,234.8 35.638,232.8 27.638,232.8 27.638,230.8 35.638,230.8 35.638,228.8 27.638,228.8 27.638,226.8 37.638,226.8 37.638,234.8 39.638,234.8 39.638,226.8 41.638,226.8 41.638,234.8 43.638,234.8 43.638,226.8 45.638,226.8 45.638,236.8 37.638,236.8 37.638,238.8 45.638,238.8 45.638,240.8 37.638,240.8 37.638,242.8 45.638,242.8 45.638,244.8 35.638,244.8 35.638,236.8 33.638,236.8 33.638,244.8 31.638,244.8 31.638,236.8 29.638,236.8 29.638,244.8 27.638,244.8 27.638,236.8 17.638,236.8 17.638,238.8 25.638,238.8 25.638,240.8 17.638,240.8 17.638,242.8 25.638,242.8 25.638,244.8 15.638,244.8 15.638,236.8 13.638,236.8 13.638,244.8 11.638,244.8 11.638,236.8 9.638,236.8 9.638,244.8 7.638,244.8 7.638,236.8 -2.362,236.8 -2.362,238.8 5.638,238.8 5.638,240.8 -2.362,240.8 -2.362,242.8 5.638,242.8 5.638,244.8 -2.362,244.8 -2.362,254.8 -0.362,254.8 -0.362,246.8 1.638,246.8 1.638,254.8 3.638,254.8 3.638,246.8 5.638,246.8 5.638,254.8 15.638,254.8 15.638,252.8 7.638,252.8 7.638,250.8 15.638,250.8 15.638,248.8 7.638,248.8 7.638,246.8 17.638,246.8 17.638,254.8 19.638,254.8 19.638,246.8 21.638,246.8 21.638,254.8 23.638,254.8 23.638,246.8 25.638,246.8 25.638,254.8 35.638,254.8 35.638,252.8 27.638,252.8 27.638,250.8 35.638,250.8 35.638,248.8 27.638,248.8 27.638,246.8 37.638,246.8 37.638,254.8 39.638,254.8 39.638,246.8 41.638,246.8 41.638,254.8 43.638,254.8 43.638,246.8 45.638,246.8 45.638,256.8 37.638,256.8 37.638,258.8 45.638,258.8 45.638,260.8 37.638,260.8 37.638,262.8 45.638,262.8 45.638,264.8 35.638,264.8 35.638,256.8 33.638,256.8 33.638,264.8 31.638,264.8 31.638,256.8 29.638,256.8 29.638,264.8 27.638,264.8 27.638,256.8 17.638,256.8 17.638,258.8 25.638,258.8 25.638,260.8 17.638,260.8 17.638,262.8 25.638,262.8 25.638,264.8 15.638,264.8 15.638,256.8 13.638,256.8 13.638,264.8 11.638,264.8 11.638,256.8 9.638,256.8 9.638,264.8 7.638,264.8 7.638,256.8 -2.362,256.8 -2.362,258.8 5.638,258.8 5.638,260.8 -2.362,260.8 -2.362,262.8 5.638,262.8 5.638,264.8 -4.362,264.8 -4.362,256.8 -6.362,256.8 -6.362,264.8 -8.362,264.8 -8.362,256.8 -10.362,256.8 -10.362,264.8 -12.362,264.8 -12.362,256.8 -22.362,256.8 -22.362,258.8 -14.362,258.8 -14.362,260.8 -22.362,260.8 -22.362,262.8 -14.362,262.8 -14.362,264.8 -22.362,264.8 -22.362,274.8 -20.362,274.8 -20.362,266.8 -18.362,266.8 -18.362,274.8 -16.362,274.8 -16.362,266.8 -14.362,266.8 -14.362,274.8 -4.362,274.8 -4.362,272.8 -12.362,272.8 -12.362,270.8 -4.362,270.8 -4.362,268.8 -12.362,268.8 -12.362,266.8 -2.362,266.8 -2.362,274.8 -0.362,274.8 -0.362,266.8 1.638,266.8 1.638,274.8 3.638,274.8 3.638,266.8 5.638,266.8 5.638,274.8 15.638,274.8 15.638,272.8 7.638,272.8 7.638,270.8 15.638,270.8 15.638,268.8 7.638,268.8 7.638,266.8 17.638,266.8 17.638,274.8 19.638,274.8 19.638,266.8 21.638,266.8 21.638,274.8 23.638,274.8 23.638,266.8 25.638,266.8 25.638,274.8 35.638,274.8 35.638,272.8 27.638,272.8 27.638,270.8 35.638,270.8 35.638,268.8 27.638,268.8 27.638,266.8 37.638,266.8 37.638,274.8 39.638,274.8 39.638,266.8 41.638,266.8 41.638,274.8 43.638,274.8 43.638,266.8 45.638,266.8 45.638,276.8 37.638,276.8 37.638,278.8 45.638,278.8 45.638,280.8 37.638,280.8 37.638,282.8 45.638,282.8 45.638,284.8 35.638,284.8 35.638,276.8 33.638,276.8 33.638,284.8 31.638,284.8 31.638,276.8 29.638,276.8 29.638,284.8 27.638,284.8 27.638,276.8 17.638,276.8 17.638,278.8 25.638,278.8 25.638,280.8 17.638,280.8 17.638,282.8 25.638,282.8 25.638,284.8 15.638,284.8 15.638,276.8 13.638,276.8 13.638,284.8 11.638,284.8 11.638,276.8 9.638,276.8 9.638,284.8 7.638,284.8 7.638,276.8 -2.362,276.8 -2.362,278.8 5.638,278.8 5.638,280.8 -2.362,280.8 -2.362,282.8 5.638,282.8 5.638,284.8 -2.362,284.8 -2.362,294.8 -0.362,294.8 -0.362,286.8 1.638,286.8 1.638,294.8 3.638,294.8 3.638,286.8 5.638,286.8 5.638,294.8 15.638,294.8 15.638,292.8 7.638,292.8 7.638,290.8 15.638,290.8 15.638,288.8 7.638,288.8 7.638,286.8 17.638,286.8 17.638,294.8 19.638,294.8 19.638,286.8 21.638,286.8 21.638,294.8 23.638,294.8 23.638,286.8 25.638,286.8 25.638,294.8 35.638,294.8 35.638,292.8 27.638,292.8 27.638,290.8 35.638,290.8 35.638,288.8 27.638,288.8 27.638,286.8 37.638,286.8 37.638,294.8 39.638,294.8 39.638,286.8 41.638,286.8 41.638,294.8 43.638,294.8 43.638,286.8 45.638,286.8 45.638,296.8 37.638,296.8 37.638,298.8 45.638,298.8 45.638,300.8 37.638,300.8 37.638,302.8 45.638,302.8 45.638,304.8 35.638,304.8 35.638,296.8 33.638,296.8 33.638,304.8 31.638,304.8 31.638,296.8 29.638,296.8 29.638,304.8 27.638,304.8 27.638,296.8 17.638,296.8 17.638,298.8 25.638,298.8 25.638,300.8 17.638,300.8 17.638,302.8 25.638,302.8 25.638,304.8 15.638,304.8 15.638,296.8 13.638,296.8 13.638,304.8 11.638,304.8 11.638,296.8 9.638,296.8 9.638,304.8 7.638,304.8 7.638,296.8 -2.362,296.8 -2.362,298.8 5.638,298.8 5.638,300.8 -2.362,300.8 -2.362,302.8 5.638,302.8 5.638,304.8 -4.362,304.8 -4.362,296.8 -6.362,296.8 -6.362,304.8 -8.362,304.8 -8.362,296.8 -10.362,296.8 -10.362,304.8 -12.362,304.8 -12.362,296.8 -22.362,296.8 -22.362,298.8 -14.362,298.8 -14.362,300.8 -22.362,300.8 -22.362,302.8 -14.362,302.8 -14.362,304.8 -22.362,304.8 -22.362,314.8 -20.362,314.8 -20.362,306.8 -18.362,306.8 -18.362,314.8 -16.362,314.8 -16.362,306.8 -14.362,306.8 -14.362,314.8 -4.362,314.8 -4.362,312.8 -12.362,312.8 -12.362,310.8 -4.362,310.8 -4.362,308.8 -12.362,308.8 -12.362,306.8 -2.362,306.8 -2.362,314.8 -0.362,314.8 -0.362,306.8 1.638,306.8 1.638,314.8 3.638,314.8 3.638,306.8 5.638,306.8 5.638,314.8 15.638,314.8 15.638,312.8 7.638,312.8 7.638,310.8 15.638,310.8 15.638,308.8 7.638,308.8 7.638,306.8 17.638,306.8 17.638,314.8 19.638,314.8 19.638,306.8 21.638,306.8 21.638,314.8 23.638,314.8 23.638,306.8 25.638,306.8 25.638,314.8 35.638,314.8 35.638,312.8 27.638,312.8 27.638,310.8 35.638,310.8 35.638,308.8 27.638,308.8 27.638,306.8 37.638,306.8 37.638,314.8 39.638,314.8 39.638,306.8 41.638,306.8 41.638,314.8 43.638,314.8 43.638,306.8 45.638,306.8 45.638,316.8 37.638,316.8 37.638,318.8 45.638,318.8 45.638,320.8 37.638,320.8 37.638,322.8 45.638,322.8 45.638,324.8 35.638,324.8 35.638,316.8 33.638,316.8 33.638,324.8 31.638,324.8 31.638,316.8 29.638,316.8 29.638,324.8 27.638,324.8 27.638,316.8 17.638,316.8 17.638,318.8 25.638,318.8 25.638,320.8 17.638,320.8 17.638,322.8 25.638,322.8 25.638,324.8 15.638,324.8 15.638,316.8 13.638,316.8 13.638,324.8 11.638,324.8 11.638,316.8 9.638,316.8 9.638,324.8 7.638,324.8 7.638,316.8 -2.362,316.8 -2.362,318.8 5.638,318.8 5.638,320.8 -2.362,320.8 -2.362,322.8 5.638,322.8 5.638,324.8 -2.362,324.8 -2.362,326.8 95.622,326.8